# KiCad board corevus-toolboard-panelize3.kicad_pcb (continued)
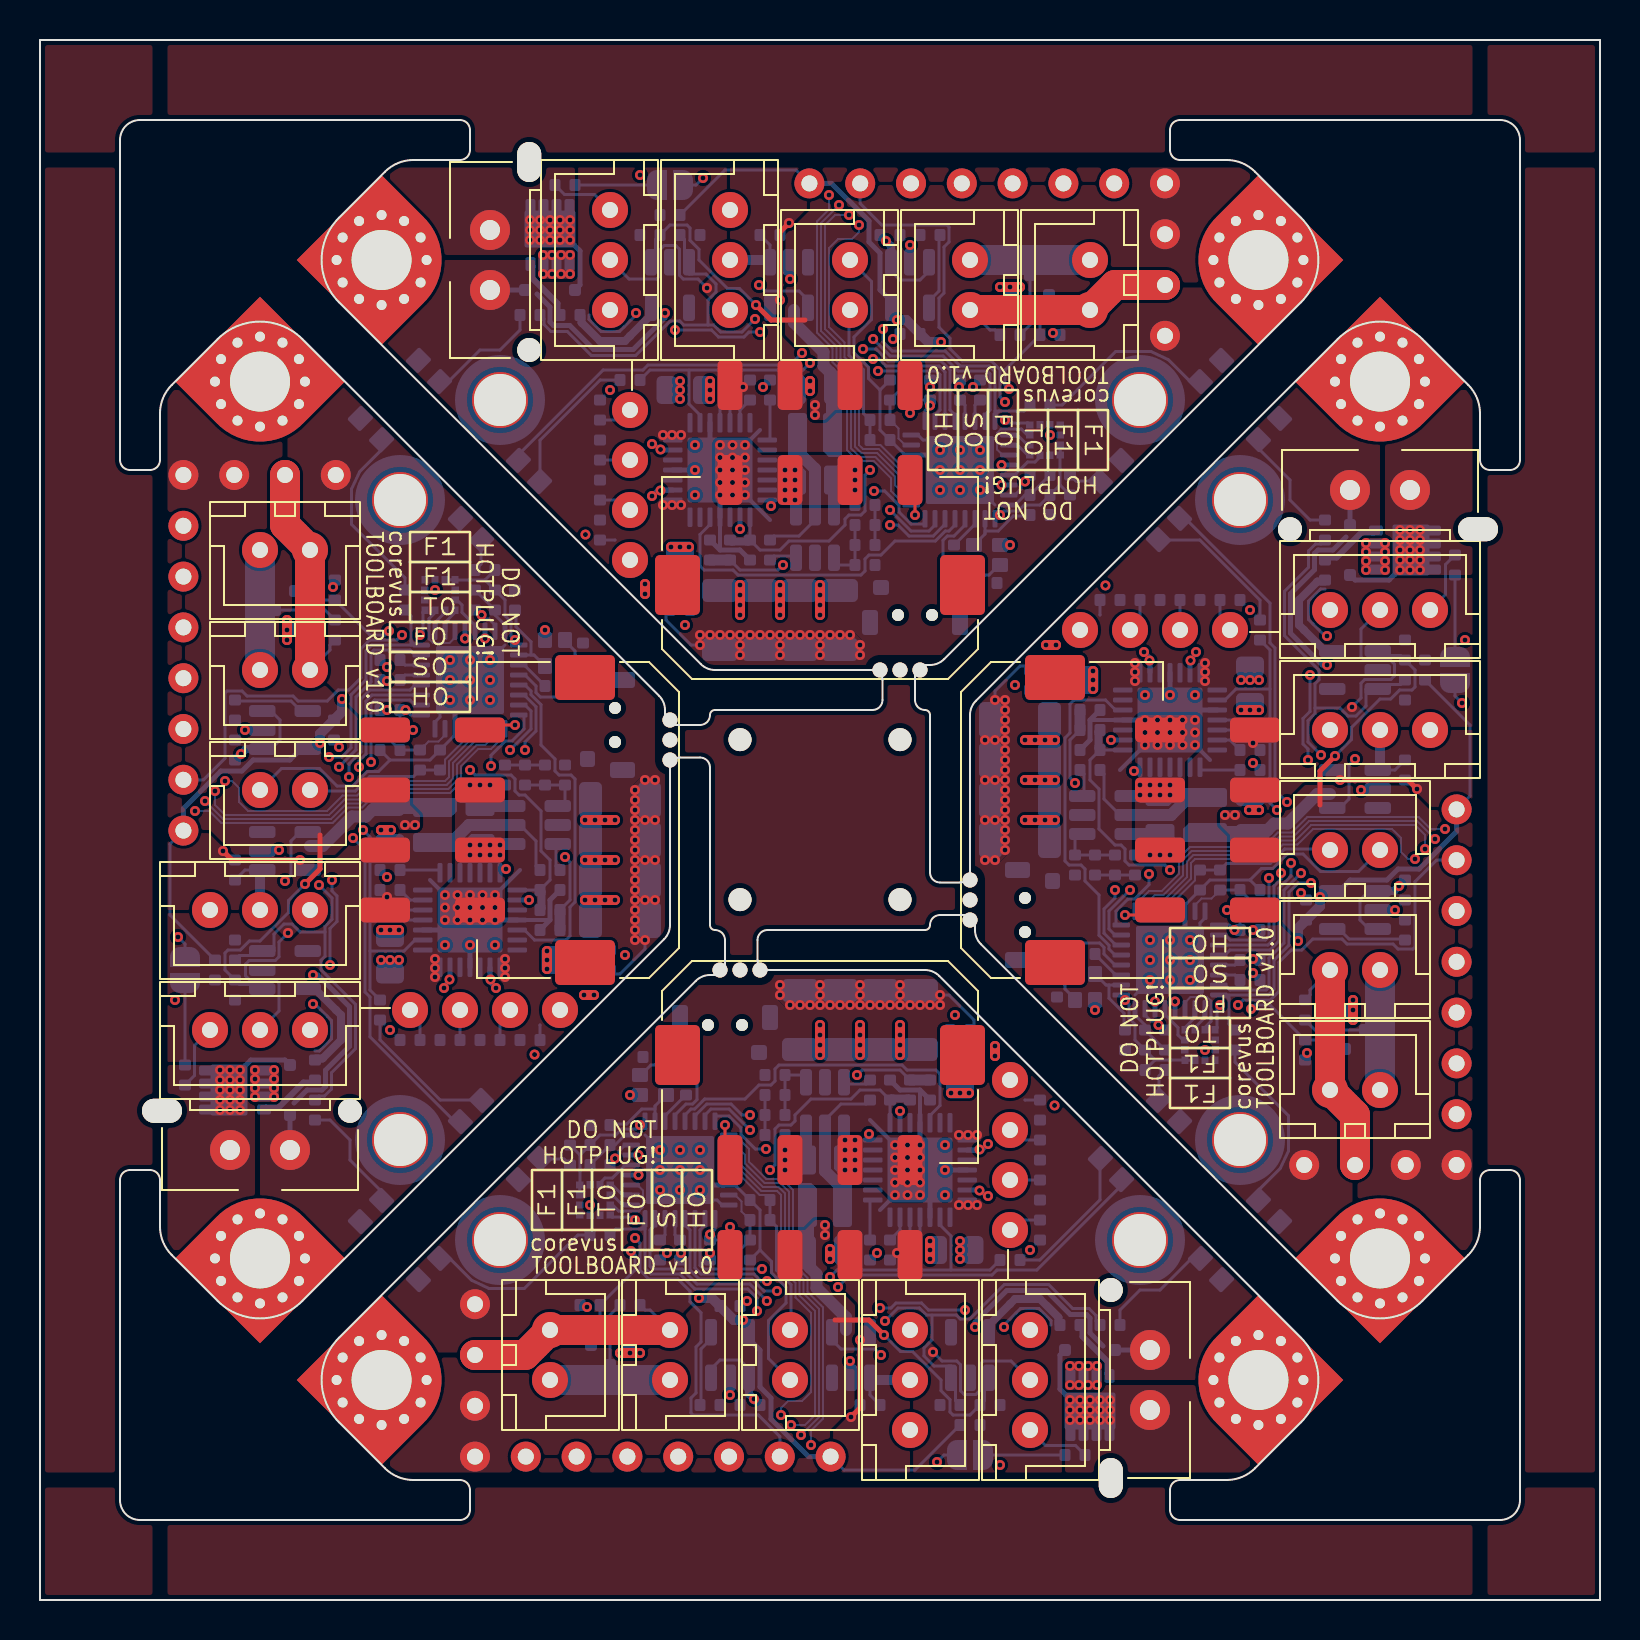
[diagram p0: board, top side]
## Routing (per net, layer and track width the routed paths; a pad name or vN(x,y) marks a point on that pad's centre or on a via; arc(x,y) is an arc through that point) (continued)
VDDA: length 18.3
  Bottom w0.1: U3#3.15 57.75,34.75 58.08,35.08 58.58,35.08 R13#3.2 ; U3.15 43.25,57.75 42.92,58.08 42.92,58.57 R13#4.2 ; R13#2.2 35.08,19.43 35.08,19.93 34.75,20.25 U3#4.15 ; R13.2 19.43,42.92 19.93,42.92 20.25,43.25 U3#2.15
  Bottom w0.15: FB1.1 C13#3.2 R13#2.2 35.3,19.2 ; 42.7,58.8 R13#4.2 C13#4.2 FB1#2.1 ; 19.2,42.7 R13.2 C13#2.2 FB1#4.1 ; 58.8,35.3 R13#3.2 C13.2 FB1#3.1
VSSA: length 51.3
  Bottom w0.15: C13#4.1 42,60.5 ; 42,60.5 42,58.5 C26#3.2 43.25,57.25 ; 42,60.5 41.42,61.08 41.42,61.64 40.7,62.36 40.7,63.15 41.58,64.03 41.58,65.92 J5.1 ; J5#2.1 12.07,41.58 13.98,41.58 14.85,40.7 15.64,40.7 16.36,41.42 16.93,41.42 17.5,42 ; J5#3.1 36.42,12.07 36.42,13.98 37.3,14.85 37.3,15.64 36.58,16.36 36.58,16.93 36,17.5 ; 36,17.5 36,19.5 C26#2.2 34.75,20.75 ; 36,17.5 C13#3.1 ; 57.25,34.75 57.25,34.55 ; 57.25,34.75 U3#3.14 ; 57.25,34.75 C26.2 58.5,36 60.5,36 ; 20.75,43.25 20.75,43.45 ; 20.75,43.25 C26#4.2 19.5,42 17.5,42 ; 20.75,43.25 U3#2.14 ; 34.75,20.75 34.55,20.75 ; 34.75,20.75 U3#4.14 ; C13.1 60.5,36 ; 60.5,36 61.08,36.58 61.64,36.58 62.36,37.3 63.15,37.3 64.02,36.42 65.92,36.42 J5#4.1 ; U3.14 43.25,57.25 ; 43.25,57.25 43.45,57.25 ; 17.5,42 C13#2.1
/_{FET}Therm: length 22.6
  Bottom w0.15: R7#2.1 31,70.6 JP1#3.1 TH2#4.1 ; TH2#2.1 JP1#2.1 47,7.4 R7#3.1 ; TH2#3.1 JP1.1 70.6,47 R7.1 ; TH2.1 JP1#4.1 7.4,31 R7#4.1
/_{Motor}Therm: length 59.8
  In1.Cu w0.15: v1(37.15,51.75) 37.15,53.65 37.5,54 42.25,54 v1(42.5,53.75) ; v1(53.75,35.5) 54,35.75 54,40.5 53.65,40.85 v1(51.75,40.85) ; v1(35.5,24.25) 35.75,24 40.5,24 40.85,24.35 v1(40.85,26.25) ; v1(24.25,42.5) 24,42.25 24,37.5 24.35,37.15 v1(26.25,37.15)
  Bottom w0.15: v1(40.85,26.25) 41.1,26.5 43,26.5 R16.1 ; U3#2.6 24.21,45.25 24.8,44.66 24.8,43.45 24.25,42.9 v1(24.25,42.5) ; U3#4.6 32.75,24.21 33.34,24.8 34.55,24.8 35.1,24.25 v1(35.5,24.25) ; v1(42.5,53.75) 42.9,53.75 43.45,53.2 44.66,53.2 45.25,53.79 U3.6 ; U3#3.6 53.79,32.75 53.2,33.34 53.2,34.55 53.75,35.1 v1(53.75,35.5) ; R16#2.1 51.5,43 51.5,41.1 v1(51.75,40.85) ; R16#3.1 35,51.5 36.9,51.5 v1(37.15,51.75) ; R16#4.1 26.5,35 26.5,36.9 v1(26.25,37.15)
  Bottom w0.55: R16#3.1 TH1#2.1 ; R16.1 TH1#4.1 ; R16#2.1 TH1#3.1 ; R16#4.1 TH1.1
/A1: length 3
  Bottom w0.15: C19#2.1 23,28.75 ; C19.1 55,49.25 ; C19#3.1 49.25,23 ; C19#4.1 28.75,55
/A2: length 3
  Bottom w0.15: C18#4.1 25,28.75 ; C18.1 53,49.25 ; C18#3.1 49.25,25 ; C18#2.1 28.75,53
/ACCEL_CS: length 5
  Bottom w0.15: U1#3.2 49.38,57.75 48.92,58.2 48.49,58.2 U3.25 ; U1#4.2 57.75,28.62 58.2,29.07 58.2,29.51 U3#3.25 ; U3#2.25 19.8,48.49 19.8,48.92 20.25,49.38 U1#2.2 ; U3#4.25 29.51,19.8 29.07,19.8 28.62,20.25 U1.2
/ACCEL_INT1: length 8.1
  Bottom w0.15: U3.29 48.73,56.25 49.38,56.9 49.75,56.9 50,57.15 U1#3.12 ; U3#4.29 29.27,21.75 28.62,21.1 28.25,21.1 28,20.85 U1.12 ; U3#2.29 21.75,48.73 21.1,49.38 21.1,49.75 20.85,50 U1#2.12 ; U1#4.12 57.15,28 56.9,28.25 56.9,28.62 56.25,29.27 U3#3.29
/B1: length 3
  Bottom w0.15: C21.1 19,28.75 ; C21#2.1 49.25,19 ; C21#4.1 59,49.25 ; C21#3.1 28.75,59
/B2: length 3
  Bottom w0.15: C20.1 21,28.75 ; C20#4.1 28.75,57 ; C20#3.1 49.25,21 ; C20#2.1 57,49.25
/BOOT0: length 95.4
  In1.Cu w0.15: v1(59.9,29.75) 59.45,29.3 58.81,29.3 58.24,29.88 57.38,29.88 56.98,29.48 56.22,29.48 55.92,29.18 v1(55.92,28.75) ; v1(29.75,18.1) 29.3,18.55 29.3,19.19 29.88,19.76 29.88,20.62 29.48,21.02 29.48,21.77 29.18,22.07 v1(28.75,22.07) ; v1(49.25,55.92) 48.83,55.92 48.52,56.23 48.52,56.98 48.12,57.38 48.12,58.24 48.7,58.81 48.7,59.45 v1(48.25,59.9) ; v1(22.07,49.25) 22.08,48.83 21.78,48.52 21.02,48.52 20.62,48.12 19.76,48.12 19.19,48.7 18.55,48.7 v1(18.1,48.25)
  Bottom w0.15: U3#4.31 29.25,22.75 28.95,22.45 28.95,22.27 v1(28.75,22.07) 28.5,21.82 R2#4.2 ; v1(29.75,18.1) 30,17.85 30,16.48 30.43,16.05 31.89,16.05 32.5,15.44 32.5,14.91 33.05,14.36 33.05,12.9 32.8,12.65 32.8,10.35 32.55,10.1 32.55,9.35 32.65,9.25 35.92,9.25 36.99,8.18 J8#2.7 ; v1(18.1,48.25) 17.85,48 16.48,48 16.05,47.57 16.05,46.11 15.44,45.5 14.91,45.5 14.36,44.95 12.9,44.95 12.65,45.2 10.35,45.2 10.1,45.45 9.35,45.45 9.25,45.35 9.25,42.08 8.18,41.01 J8#3.7 ; v1(59.9,29.75) 60.15,30 61.52,30 61.95,30.43 61.95,31.89 62.56,32.5 63.09,32.5 63.64,33.05 65.1,33.05 65.35,32.8 67.65,32.8 67.9,32.55 68.65,32.55 68.75,32.65 68.75,35.92 69.82,36.99 J8#4.7 ; R2#2.2 49.5,56.18 v1(49.25,55.92) 49.05,55.73 49.05,55.55 48.75,55.25 U3.31 ; U3#2.31 22.75,48.75 22.45,49.05 22.27,49.05 v1(22.07,49.25) 21.82,49.5 R2#3.2 ; v1(48.25,59.9) 48,60.15 48,61.52 47.57,61.95 46.11,61.95 45.5,62.56 45.5,63.09 44.95,63.64 44.95,65.1 45.2,65.35 45.2,67.65 45.45,67.9 45.45,68.65 45.35,68.75 42.08,68.75 41.01,69.82 J8.7 ; R2.2 56.18,28.5 v1(55.92,28.75) 55.73,28.95 55.55,28.95 55.25,29.25 U3#3.31
/D+: length 25.8
  Top w0.25: v1(59.35,34.5) J3#3.5 ; v1(43.5,59.35) J3#2.5 ; v1(18.65,43.5) J3.5 ; v1(34.5,18.65) J3#4.5
  In1.Cu w0.15: v1(43.5,59.35) 43.58,59.27 44.69,59.27 45.5,60.09 45.5,60.84 45.76,61.1 46.2,61.1 v1(46.65,60.65) ; v1(31.35,17.35) 31.8,16.9 32.24,16.9 32.5,17.16 32.5,17.91 33.31,18.73 34.42,18.73 v1(34.5,18.65) ; v1(17.35,46.65) 16.9,46.2 16.9,45.76 17.16,45.5 17.91,45.5 18.73,44.69 18.73,43.58 v1(18.65,43.5) ; v1(60.65,31.35) 61.1,31.8 61.1,32.24 60.84,32.5 60.09,32.5 59.27,33.31 59.27,34.42 v1(59.35,34.5)
  Bottom w0.15: v1(17.35,46.65) R3.2 ; v1(60.65,31.35) R3#4.2 ; v1(46.65,60.65) R3#2.2 ; v1(31.35,17.35) R3#3.2
/D+': length 4.7
  Bottom w0.15: U3#3.22 59.75,31.25 R3#4.1 ; U3#4.22 31.25,18.25 R3#3.1 ; R3#2.1 46.75,59.75 U3.22 ; R3.1 18.25,46.75 U3#2.22
/D-: length 39.8
  Top w0.15: J3#3.1 55.75,34.25 v1(54.25,34.25) ; J3#2.1 43.75,55.75 v1(43.75,54.25) ; v1(23.75,43.75) 22.25,43.75 J3.1 ; v1(34.25,23.75) 34.25,22.25 J3#4.1
  In1.Cu w0.15: v1(43.75,54.25) 44.45,54.25 45.5,55.3 45.5,59.65 45.95,60.1 v1(45.95,60.65) ; v1(23.75,43.75) 23.75,44.45 22.7,45.5 18.35,45.5 17.9,45.95 v1(17.35,45.95) ; v1(54.25,34.25) 54.25,33.55 55.3,32.5 59.65,32.5 60.1,32.05 v1(60.65,32.05) ; v1(34.25,23.75) 33.55,23.75 32.5,22.7 32.5,18.35 32.05,17.9 v1(32.05,17.35)
  Bottom w0.15: R4#2.2 46,60.7 v1(45.95,60.65) ; R4#4.2 60.7,32 v1(60.65,32.05) ; R4.2 32,17.3 v1(32.05,17.35) ; v1(17.35,45.95) 17.3,46 R4#3.2
/D-': length 4.7
  Bottom w0.15: R4#3.1 18.25,46.25 U3#2.21 ; U3#4.21 31.75,18.25 R4.1 ; U3.21 46.25,59.75 R4#2.1 ; U3#3.21 59.75,31.75 R4#4.1
/Dir: length 69.1
  Bottom w0.15: U3#3.5 53.75,32.25 53.45,32.55 53.45,32.73 52.95,33.23 52.95,35.25 52.25,35.95 52.25,36.55 52.05,36.75 51.45,36.75 51.25,36.95 51.25,43.1 51.5,43.35 51.5,44.8 51.7,45 53.27,45 53.77,44.5 U4#3.19 ; U4#2.19 44.5,24.23 45,24.73 45,26.3 44.8,26.5 43.35,26.5 43.1,26.75 36.95,26.75 36.75,26.55 36.75,25.95 36.55,25.75 35.95,25.75 35.25,25.05 33.23,25.05 32.73,24.55 32.55,24.55 32.25,24.25 U3#4.5 ; U3#2.5 24.25,45.75 24.55,45.45 24.55,45.27 25.05,44.77 25.05,42.75 25.75,42.05 25.75,41.45 25.95,41.25 26.55,41.25 26.75,41.05 26.75,34.9 26.5,34.65 26.5,33.2 26.3,33 24.73,33 24.23,33.5 U4#4.19 ; U4.19 33.5,53.77 33,53.27 33,51.7 33.2,51.5 34.65,51.5 34.9,51.25 41.05,51.25 41.25,51.45 41.25,52.05 41.45,52.25 42.05,52.25 42.75,52.95 44.77,52.95 45.27,53.45 45.45,53.45 45.75,53.75 U3.5
/F0: length 90.1
  In1.Cu w0.15: v1(65.75,42.05) 65.45,41.75 64.15,41.75 63.55,41.15 v1(63.55,35.85) ; v1(42.05,12.25) 41.75,12.55 41.75,13.85 41.15,14.45 v1(35.85,14.45) ; v1(35.95,65.75) 36.25,65.45 36.25,64.15 36.85,63.55 v1(42.15,63.55) ; v1(14.45,42.15) 14.45,36.85 13.85,36.25 12.55,36.25 v1(12.25,35.95)
  Bottom w0.15: U3.24 47.75,61.41 47.46,61.7 46.01,61.7 45.26,62.45 42.61,62.45 42.15,62.91 v1(42.15,63.55) ; 47.95,59.45 49.2,59.45 R8#4.2 ; 47.95,59.45 47.75,59.25 ; 47.95,59.45 47.75,59.45 ; v1(14.45,42.15) 15.09,42.15 15.55,42.61 15.55,45.26 16.3,46.01 16.3,47.46 16.59,47.75 U3#2.24 ; 38.39,64.6 U7#4.4 38.4,65 37.95,65.45 36.25,65.45 v1(35.95,65.75) ; U3#3.24 61.41,30.25 61.7,30.54 61.7,31.99 62.45,32.74 62.45,35.39 62.91,35.85 v1(63.55,35.85) ; R8#2.2 28.8,18.55 30.05,18.55 ; 64.6,39.61 U7#3.4 65,39.6 65.45,40.05 65.45,41.75 v1(65.75,42.05) ; 18.55,47.95 18.55,47.75 ; 18.55,47.95 18.55,49.2 R8#3.2 ; 18.55,47.95 18.75,47.75 ; v1(12.25,35.95) 12.55,36.25 12.55,37.95 13,38.4 U7.4 13.4,38.39 ; 59.25,30.25 59.45,30.05 ; 59.45,30.05 59.45,30.25 ; 59.45,30.05 59.45,28.8 R8.2 ; v1(42.05,12.25) 41.75,12.55 40.05,12.55 39.6,13 U7#2.4 39.61,13.4 ; 30.05,18.55 30.25,18.55 ; 30.05,18.55 30.25,18.75 ; U3#4.24 30.25,16.59 30.54,16.3 31.99,16.3 32.74,15.55 35.39,15.55 35.85,15.09 v1(35.85,14.45)
/F0_FG: length 60.5
  In1.Cu w0.15: v1(36.35,15.95) 36.99,15.95 37.74,15.2 42.04,15.2 42.45,14.79 42.45,14.52 43.48,13.5 ; v1(41.65,62.05) 41.01,62.05 40.26,62.8 35.96,62.8 35.55,63.21 35.55,63.48 34.52,64.5 ; v1(62.05,36.35) 62.05,36.99 62.8,37.74 62.8,42.04 63.21,42.45 63.48,42.45 64.5,43.48 ; 13.5,34.52 14.52,35.55 14.79,35.55 15.2,35.96 15.2,40.26 15.95,41.01 v1(15.95,41.65)
  Bottom w0.15: U3#4.19 32.75,16.6 33.05,16.3 35.7,16.3 36.05,15.95 v1(36.35,15.95) ; v1(41.65,62.05) 41.95,62.05 42.3,61.7 44.95,61.7 45.25,61.4 U3.19 ; U3#2.19 16.6,45.25 16.3,44.95 16.3,42.3 15.95,41.95 v1(15.95,41.65) ; v1(62.05,36.35) 62.05,36.05 61.7,35.7 61.7,33.05 61.4,32.75 U3#3.19 ; 64.15,43.12 64.5,43.48 ; 13.85,34.88 13.5,34.52 ; 34.88,64.15 34.52,64.5 ; 43.12,13.85 43.48,13.5
/F1: length 42.9
  In1.Cu w0.15: v1(22.25,48.08) 21.8,47.62 18.04,47.62 17.65,48.01 17.65,48.25 v1(17.45,48.45) ; v1(48.08,55.75) 47.62,56.2 47.62,59.96 48.01,60.35 48.25,60.35 v1(48.45,60.55) ; v1(60.55,29.55) 60.35,29.75 60.35,29.99 59.96,30.38 56.2,30.38 v1(55.75,29.93) ; v1(29.55,17.45) 29.75,17.65 29.99,17.65 30.38,18.04 30.38,21.8 v1(29.93,22.25)
  Bottom w0.15: Q4.1 50.45,64.4 50,63.95 R14.1 48.25,61.5 48.25,60.75 v1(48.45,60.55) ; Q4#2.1 13.6,50.45 14.05,50 R14#3.1 16.5,48.25 17.25,48.25 v1(17.45,48.45) ; v1(29.55,17.45) 29.75,17.25 29.75,16.5 R14#4.1 28,14.05 27.55,13.6 Q4#4.1 ; Q4#3.1 64.4,27.55 63.95,28 R14#2.1 61.5,29.75 60.75,29.75 v1(60.55,29.55)
/H0: length 136.9
  In1.Cu w0.15: v1(35.75,64.05) 36,64.05 36,64.05 36.75,63.3 41.41,63.3 v1(41.66,63.05) ; v1(64.05,42.25) 64.05,42 64.05,42 63.3,41.25 63.3,36.59 v1(63.05,36.34) ; v1(42.25,13.95) 42,13.95 42,13.95 41.25,14.7 36.59,14.7 v1(36.34,14.95) ; v1(13.95,35.75) 13.95,36 13.95,36 14.7,36.75 14.7,41.41 v1(14.95,41.66)
  Bottom w0.15: 33.4,63.75 33.4,65 33.8,65.4 33.8,65.8 33.3,66.3 32.45,66.3 U8#3.3 32.23,67.11 32.23,68.03 R19#2.2 ; 63.75,44.6 65,44.6 65.4,44.2 65.8,44.2 66.3,44.7 66.3,45.55 U8.3 67.11,45.77 68.03,45.77 R19#4.2 ; R19.2 45.77,9.98 45.77,10.89 U8#4.3 45.55,11.7 44.7,11.7 44.2,12.2 44.2,12.6 44.6,13 44.6,14.25 ; R1#2.2 52.8,13.95 52.8,14.22 52.45,14.57 51.64,14.57 50.44,15.77 48.22,15.77 46.49,14.05 46.01,14.05 45.81,14.25 44.32,14.25 43.97,14.6 42.9,14.6 v1(42.25,13.95) ; U3#3.23 59.25,30.75 59.5,30.5 61.31,30.5 61.45,30.64 61.45,32.1 62.2,32.85 62.2,35.49 v1(63.05,36.34) ; R1#3.2 13.95,25.2 14.22,25.2 14.57,25.55 14.57,26.36 15.77,27.56 15.77,29.78 14.05,31.51 14.05,31.99 14.25,32.19 14.25,33.68 14.6,34.03 14.6,35.1 v1(13.95,35.75) ; v1(36.34,14.95) 35.49,15.8 32.85,15.8 32.1,16.55 30.64,16.55 30.5,16.69 30.5,18.5 30.75,18.75 U3#4.23 ; v1(41.66,63.05) 42.51,62.2 45.15,62.2 45.9,61.45 47.36,61.45 47.5,61.31 47.5,59.5 47.25,59.25 U3.23 ; v1(14.95,41.66) 15.8,42.51 15.8,45.15 16.55,45.9 16.55,47.36 16.69,47.5 18.5,47.5 18.75,47.25 U3#2.23 ; R1.2 64.05,52.8 63.78,52.8 63.42,52.45 63.42,51.64 62.23,50.44 62.23,48.22 63.95,46.49 63.95,46.01 63.75,45.81 63.75,44.32 63.4,43.97 63.4,42.9 v1(64.05,42.25) ; R1#4.2 25.2,64.05 25.2,63.78 25.55,63.42 26.36,63.42 27.56,62.23 29.78,62.23 31.51,63.95 31.99,63.95 32.19,63.75 33.68,63.75 34.03,63.4 35.1,63.4 v1(35.75,64.05) ; R19#3.2 9.98,32.23 10.89,32.23 U8#2.3 11.7,32.45 11.7,33.3 12.2,33.8 12.6,33.8 13,33.4 14.25,33.4
/H0_Gate: length 20.4
  Bottom w0.4: 13.78,27.07 14.13,27.07 15.05,28 15.05,29.25 13.75,30.55 U8#2.5 ; U8#3.5 30.55,64.25 29.25,62.95 28,62.95 27.07,63.87 27.07,64.22 ; 64.22,50.92 63.87,50.92 62.95,50 62.95,48.75 64.25,47.45 U8.5 ; 50.92,13.78 50.92,14.13 50,15.05 48.75,15.05 47.45,13.75 U8#4.5
/PA4: length 126.4
  In1.Cu w0.15: J8#3.6 7.9,42.82 7.9,40.4 7.75,40.25 v1(7.75,39.45) 7.1,39.45 6.45,38.8 6.45,33.6 v1(6.9,33.15) ; J8.6 42.82,70.1 40.4,70.1 40.25,70.25 v1(39.45,70.25) 39.45,70.9 38.8,71.55 33.6,71.55 v1(33.15,71.1) ; J8#2.6 35.18,7.9 37.6,7.9 37.75,7.75 v1(38.55,7.75) 38.55,7.1 39.2,6.45 44.4,6.45 v1(44.85,6.9) ; J8#4.6 70.1,35.18 70.1,37.6 70.25,37.75 v1(70.25,38.55) 70.9,38.55 71.55,39.2 71.55,44.4 v1(71.1,44.85)
  Bottom w0.1: JP1#4.2 7,32.15 ; U3#3.9 54.75,34.75 55.45,35.45 56.09,35.45 56.95,36.31 56.95,37.1 57.5,37.65 61.17,37.65 61.89,38.38 62.59,38.37 63.37,39.15 68.93,39.15 69.53,38.55 v1(70.25,38.55) ; JP1.2 71,45.85 ; U3#4.9 34.75,23.25 35.45,22.55 35.45,21.91 36.31,21.05 37.1,21.05 37.65,20.5 37.65,16.83 38.38,16.11 38.38,15.41 39.15,14.63 39.15,9.07 38.55,8.47 v1(38.55,7.75) ; JP1#2.2 45.85,7 ; v1(7.75,39.45) 8.47,39.45 9.07,38.85 14.63,38.85 15.41,39.63 16.11,39.62 16.83,40.35 20.5,40.35 21.05,40.9 21.05,41.69 21.91,42.55 22.55,42.55 23.25,43.25 U3#2.9 ; U3.9 43.25,54.75 42.55,55.45 42.55,56.09 41.69,56.95 40.9,56.95 40.35,57.5 40.35,61.17 39.62,61.89 39.62,62.59 38.85,63.37 38.85,68.93 39.45,69.53 v1(39.45,70.25) ; JP1#3.2 32.15,71
  Bottom w0.15: v1(6.9,33.15) 7.25,32.8 JP1#4.2 ; JP1#2.2 45.2,7.25 v1(44.85,6.9) ; JP1#3.2 32.8,70.75 v1(33.15,71.1) ; v1(71.1,44.85) 70.75,45.2 JP1.2
/PA5: length 95.9
  In1.Cu w0.15: J8#2.5 32.89,8.15 37.95,8.15 v1(38.05,8.25) ; J8.5 45.11,69.85 40.05,69.85 v1(39.95,69.75) ; v1(69.75,38.05) 69.85,37.95 69.85,32.89 J8#4.5 ; J8#3.5 8.15,45.11 8.15,40.05 v1(8.25,39.95)
  Bottom w0.1: U3#3.10 55.25,34.76 55.74,35.25 56.17,35.25 57.15,36.23 57.15,37.02 57.58,37.45 61.25,37.45 61.98,38.17 62.67,38.17 63.45,38.95 68.85,38.95 v1(69.75,38.05) ; U3#2.10 22.75,43.24 22.26,42.75 21.83,42.75 20.85,41.77 20.85,40.98 20.42,40.55 16.75,40.55 16.02,39.83 15.32,39.83 14.55,39.05 9.15,39.05 v1(8.25,39.95) ; v1(39.95,69.75) 39.05,68.85 39.05,63.45 39.83,62.67 39.83,61.98 40.55,61.25 40.55,57.58 40.98,57.15 41.77,57.15 42.75,56.17 42.75,55.74 43.24,55.25 U3.10 ; v1(38.05,8.25) 38.95,9.15 38.95,14.55 38.17,15.32 38.17,16.02 37.45,16.75 37.45,20.42 37.02,20.85 36.23,20.85 35.25,21.83 35.25,22.26 34.76,22.75 U3#4.10
/PA6: length 102.7
  In1.Cu w0.15: J8#3.4 8.4,47.4 8.4,40.8 v1(8.75,40.45) ; J8#2.4 30.6,8.4 37.2,8.4 v1(37.55,8.75) ; J8.4 47.4,69.6 40.8,69.6 v1(40.45,69.25) ; J8#4.4 69.6,30.6 69.6,37.2 v1(69.25,37.55)
  Bottom w0.1: U3#2.11 22.25,43.25 21.95,42.95 21.75,42.95 20.65,41.85 20.65,41.07 20.33,40.75 16.67,40.75 15.94,40.02 15.22,40.02 14.45,39.25 9.25,39.25 8.75,39.75 v1(8.75,40.45) ; v1(37.55,8.75) 38.25,8.75 38.75,9.25 38.75,14.45 37.98,15.22 37.98,15.94 37.25,16.67 37.25,20.33 36.93,20.65 36.15,20.65 35.05,21.75 35.05,21.95 34.75,22.25 U3#4.11 ; U3.11 43.25,55.75 42.95,56.05 42.95,56.25 41.85,57.35 41.07,57.35 40.75,57.67 40.75,61.33 40.02,62.06 40.02,62.78 39.25,63.55 39.25,68.75 39.75,69.25 v1(40.45,69.25) ; v1(69.25,37.55) 69.25,38.25 68.75,38.75 63.55,38.75 62.78,37.98 62.06,37.98 61.33,37.25 57.67,37.25 57.35,36.93 57.35,36.15 56.25,35.05 56.05,35.05 55.75,34.75 U3#3.11
/PA7: length 107.9
  In1.Cu w0.15: J8#4.3 69.35,28.31 69.35,36.45 v1(68.75,37.05) ; J8#2.3 28.31,8.65 36.45,8.65 v1(37.05,9.25) ; v1(9.25,40.95) 8.65,41.55 8.65,49.69 J8#3.3 ; J8.3 49.69,69.35 41.55,69.35 v1(40.95,68.75)
  Bottom w0.1: U3.12 43.24,56.25 41.94,57.55 41.15,57.55 40.95,57.75 40.95,61.42 40.23,62.14 40.22,62.88 39.45,63.65 39.45,67.6 39.9,68.05 40.6,68.05 40.95,68.4 v1(40.95,68.75) ; v1(68.75,37.05) 68.4,37.05 68.05,37.4 68.05,38.1 67.6,38.55 63.65,38.55 62.88,37.77 62.14,37.77 61.42,37.05 57.75,37.05 57.55,36.85 57.55,36.06 56.25,34.76 U3#3.12 ; U3#2.12 21.75,43.24 20.45,41.94 20.45,41.15 20.25,40.95 16.58,40.95 15.86,40.23 15.12,40.23 14.35,39.45 10.4,39.45 9.95,39.9 9.95,40.6 9.6,40.95 v1(9.25,40.95) ; U3#4.12 34.76,21.75 36.06,20.45 36.85,20.45 37.05,20.25 37.05,16.58 37.77,15.86 37.77,15.12 38.55,14.35 38.55,10.4 38.1,9.95 37.4,9.95 37.05,9.6 v1(37.05,9.25)
/PCF_V+: length 49.1
  Top w1.5: J10#2.2 24.25,12.25 J7#4.2 J6#3.2 ; J10#3.2 65.75,24.25 J7#2.2 J6#4.2 ; J10.2 53.75,65.75 J7#3.2 J6#2.2 ; J6.2 J7.2 12.25,53.75 J10#4.2
  Bottom w0.15: J6#2.2 47.5,63.5 47.75,63.5 C23#4.1 ; J6#4.2 63.5,30.5 63.5,30.25 C23.1 ; J6#3.2 30.5,14.5 30.25,14.5 C23#3.1 ; C23#2.1 14.5,47.75 14.5,47.5 J6.2
/S0: length 84.4
  In1.Cu w0.15: v1(62.55,36.85) 63.05,37.35 63.05,41.65 v1(63.4,42) ; v1(15.45,41.15) 14.95,40.65 14.95,36.35 v1(14.6,36) ; v1(41.15,62.55) 40.65,63.05 36.35,63.05 v1(36,63.4) ; 49.48,13.5 48.48,14.5 v1(46.25,14.5) ; v1(63.5,46.25) 63.5,48.48 64.5,49.48 ; 13.5,28.52 14.5,29.52 v1(14.5,31.75) ; v1(42,14.6) 41.65,14.95 37.35,14.95 v1(36.85,15.45) ; v1(31.75,63.5) 29.52,63.5 28.52,64.5
  Bottom w0.15: v1(62.55,36.85) 62.55,36.2 61.95,35.6 61.95,32.95 61.5,32.5 59.5,32.5 59.25,32.25 U3#3.20 ; v1(14.5,31.75) 14.5,33.58 14.85,33.93 14.85,35.2 14.6,35.45 v1(14.6,36) ; v1(36.85,15.45) 36.2,15.45 35.6,16.05 32.95,16.05 32.5,16.5 32.5,18.5 32.25,18.75 U3#4.20 ; v1(42,14.6) 42.55,14.6 42.8,14.85 44.07,14.85 44.42,14.5 v1(46.25,14.5) ; v1(63.5,46.25) 63.5,44.42 63.15,44.07 63.15,42.8 63.4,42.55 v1(63.4,42) ; v1(31.75,63.5) 33.58,63.5 33.93,63.15 35.2,63.15 35.45,63.4 v1(36,63.4) ; v1(15.45,41.15) 15.45,41.8 16.05,42.4 16.05,45.05 16.5,45.5 18.5,45.5 18.75,45.75 U3#2.20 ; U3.20 45.75,59.25 45.5,59.5 45.5,61.5 45.05,61.95 42.4,61.95 41.8,62.55 v1(41.15,62.55)
/SPI1_MISO: length 13.5
  Bottom w0.1: 58.55,29.95 58.35,30.15 57.52,30.15 57.25,29.88 U3#3.27 ; U3.27 48.12,57.25 47.85,57.52 47.85,58.35 48.05,58.55 ; U3#2.27 20.75,48.12 20.48,47.85 19.65,47.85 19.45,48.05 ; U3#4.27 29.88,20.75 30.15,20.48 30.15,19.65 29.95,19.45
  Bottom w0.15: 19.45,48.05 19.45,49.07 19.75,49.37 U1#2.3 ; 29.95,19.45 28.93,19.45 28.63,19.75 U1.3 ; U1#3.3 49.37,58.25 49.07,58.55 48.05,58.55 ; U1#4.3 58.25,28.63 58.55,28.93 58.55,29.95
/SPI1_MOSI: length 15.3
  In1.Cu w0.15: v1(29.93,21.25) 30.12,21.05 30.12,19.38 v1(29.75,19) ; v1(48.25,59) 47.88,58.62 47.88,56.95 v1(48.08,56.75) ; v1(56.75,29.93) 56.95,30.12 58.62,30.12 v1(59,29.75) ; v1(21.25,48.08) 21.05,47.88 19.38,47.88 v1(19,48.25)
  Bottom w0.15: U1.4 28.61,19.15 29.6,19.15 v1(29.75,19) ; v1(19,48.25) 19.15,48.4 19.15,49.39 U1#2.4 ; v1(48.25,59) 48.4,58.85 49.39,58.85 U1#3.4 ; U1#4.4 58.85,28.61 58.85,29.6 v1(59,29.75)
/SPI1_SCK: length 4.9
  Bottom w0.15: 29.56,20.3 29.08,20.3 28.63,20.75 U1.1 ; 20.3,48.44 20.3,48.92 20.75,49.37 U1#2.1 ; 48.44,57.7 48.92,57.7 49.37,57.25 U1#3.1 ; U1#4.1 57.25,28.63 57.7,29.08 57.7,29.56
/Step: length 44.9
  In1.Cu w0.15: v1(23.5,42.5) 23.75,42.25 23.75,35.7 v1(24.45,35) ; v1(35,53.55) 35.7,54.25 42.25,54.25 v1(42.5,54.5) ; v1(53.55,43) 54.25,42.3 54.25,35.75 v1(54.5,35.5) ; v1(35.5,23.5) 35.75,23.75 42.3,23.75 v1(43,24.45)
  Bottom w0.1: v1(35.5,23.5) 35.5,23.55 35.39,23.66 ; 23.66,42.61 23.55,42.5 v1(23.5,42.5) ; v1(42.5,54.5) 42.5,54.45 42.61,54.34 ; 54.34,35.39 54.45,35.5 v1(54.5,35.5)
  Bottom w0.15: v1(54.5,35.5) 53.45,34.45 53.45,33.55 53.75,33.25 U3#3.7 ; U3.7 44.75,53.75 44.45,53.45 43.55,53.45 v1(42.5,54.5) ; U3#2.7 24.25,44.75 24.55,44.45 24.55,43.55 v1(23.5,42.5) ; U3#4.7 33.25,24.25 33.55,24.55 34.45,24.55 v1(35.5,23.5)
/T0: length 38.1
  Bottom w0.1: U3.13 43.02,56.75 42.02,57.75 41.75,57.75 C26#3.1 ; C26#4.1 20.25,41.75 20.25,42.02 21.25,43.02 U3#2.13 ; C26#2.1 36.25,20.25 35.98,20.25 34.98,21.25 U3#4.13 ; U3#3.13 56.75,34.98 57.75,35.98 57.75,36.25 C26.1
  Bottom w0.15: J5#2.2 13.55,40.45 15.77,40.45 16.49,41.18 18.67,41.17 R13.1 C26#4.1 ; C26.1 R13#3.1 59.33,36.83 61.51,36.82 62.23,37.55 64.45,37.55 J5#4.2 ; J5#3.2 37.55,13.55 37.55,15.77 36.83,16.49 36.83,18.67 R13#2.1 C26#2.1 ; J5.2 40.45,64.45 40.45,62.23 41.17,61.51 41.17,59.33 R13#4.1 C26#3.1
/UART: length 38.6
  In1.Cu w0.15: v1(36.3,22.55) 36.3,23.25 36.55,23.5 41.25,23.5 v1(41.45,23.3) ; v1(41.7,55.45) 41.7,54.75 41.45,54.5 36.75,54.5 v1(36.55,54.7) ; v1(55.45,36.3) 54.75,36.3 54.5,36.55 54.5,41.25 v1(54.7,41.45) ; v1(23.3,36.55) 23.5,36.75 23.5,41.45 23.25,41.7 v1(22.55,41.7)